# Altium PCB SPG300 Rev05.PcbDoc (part 7 of 8) (continued)
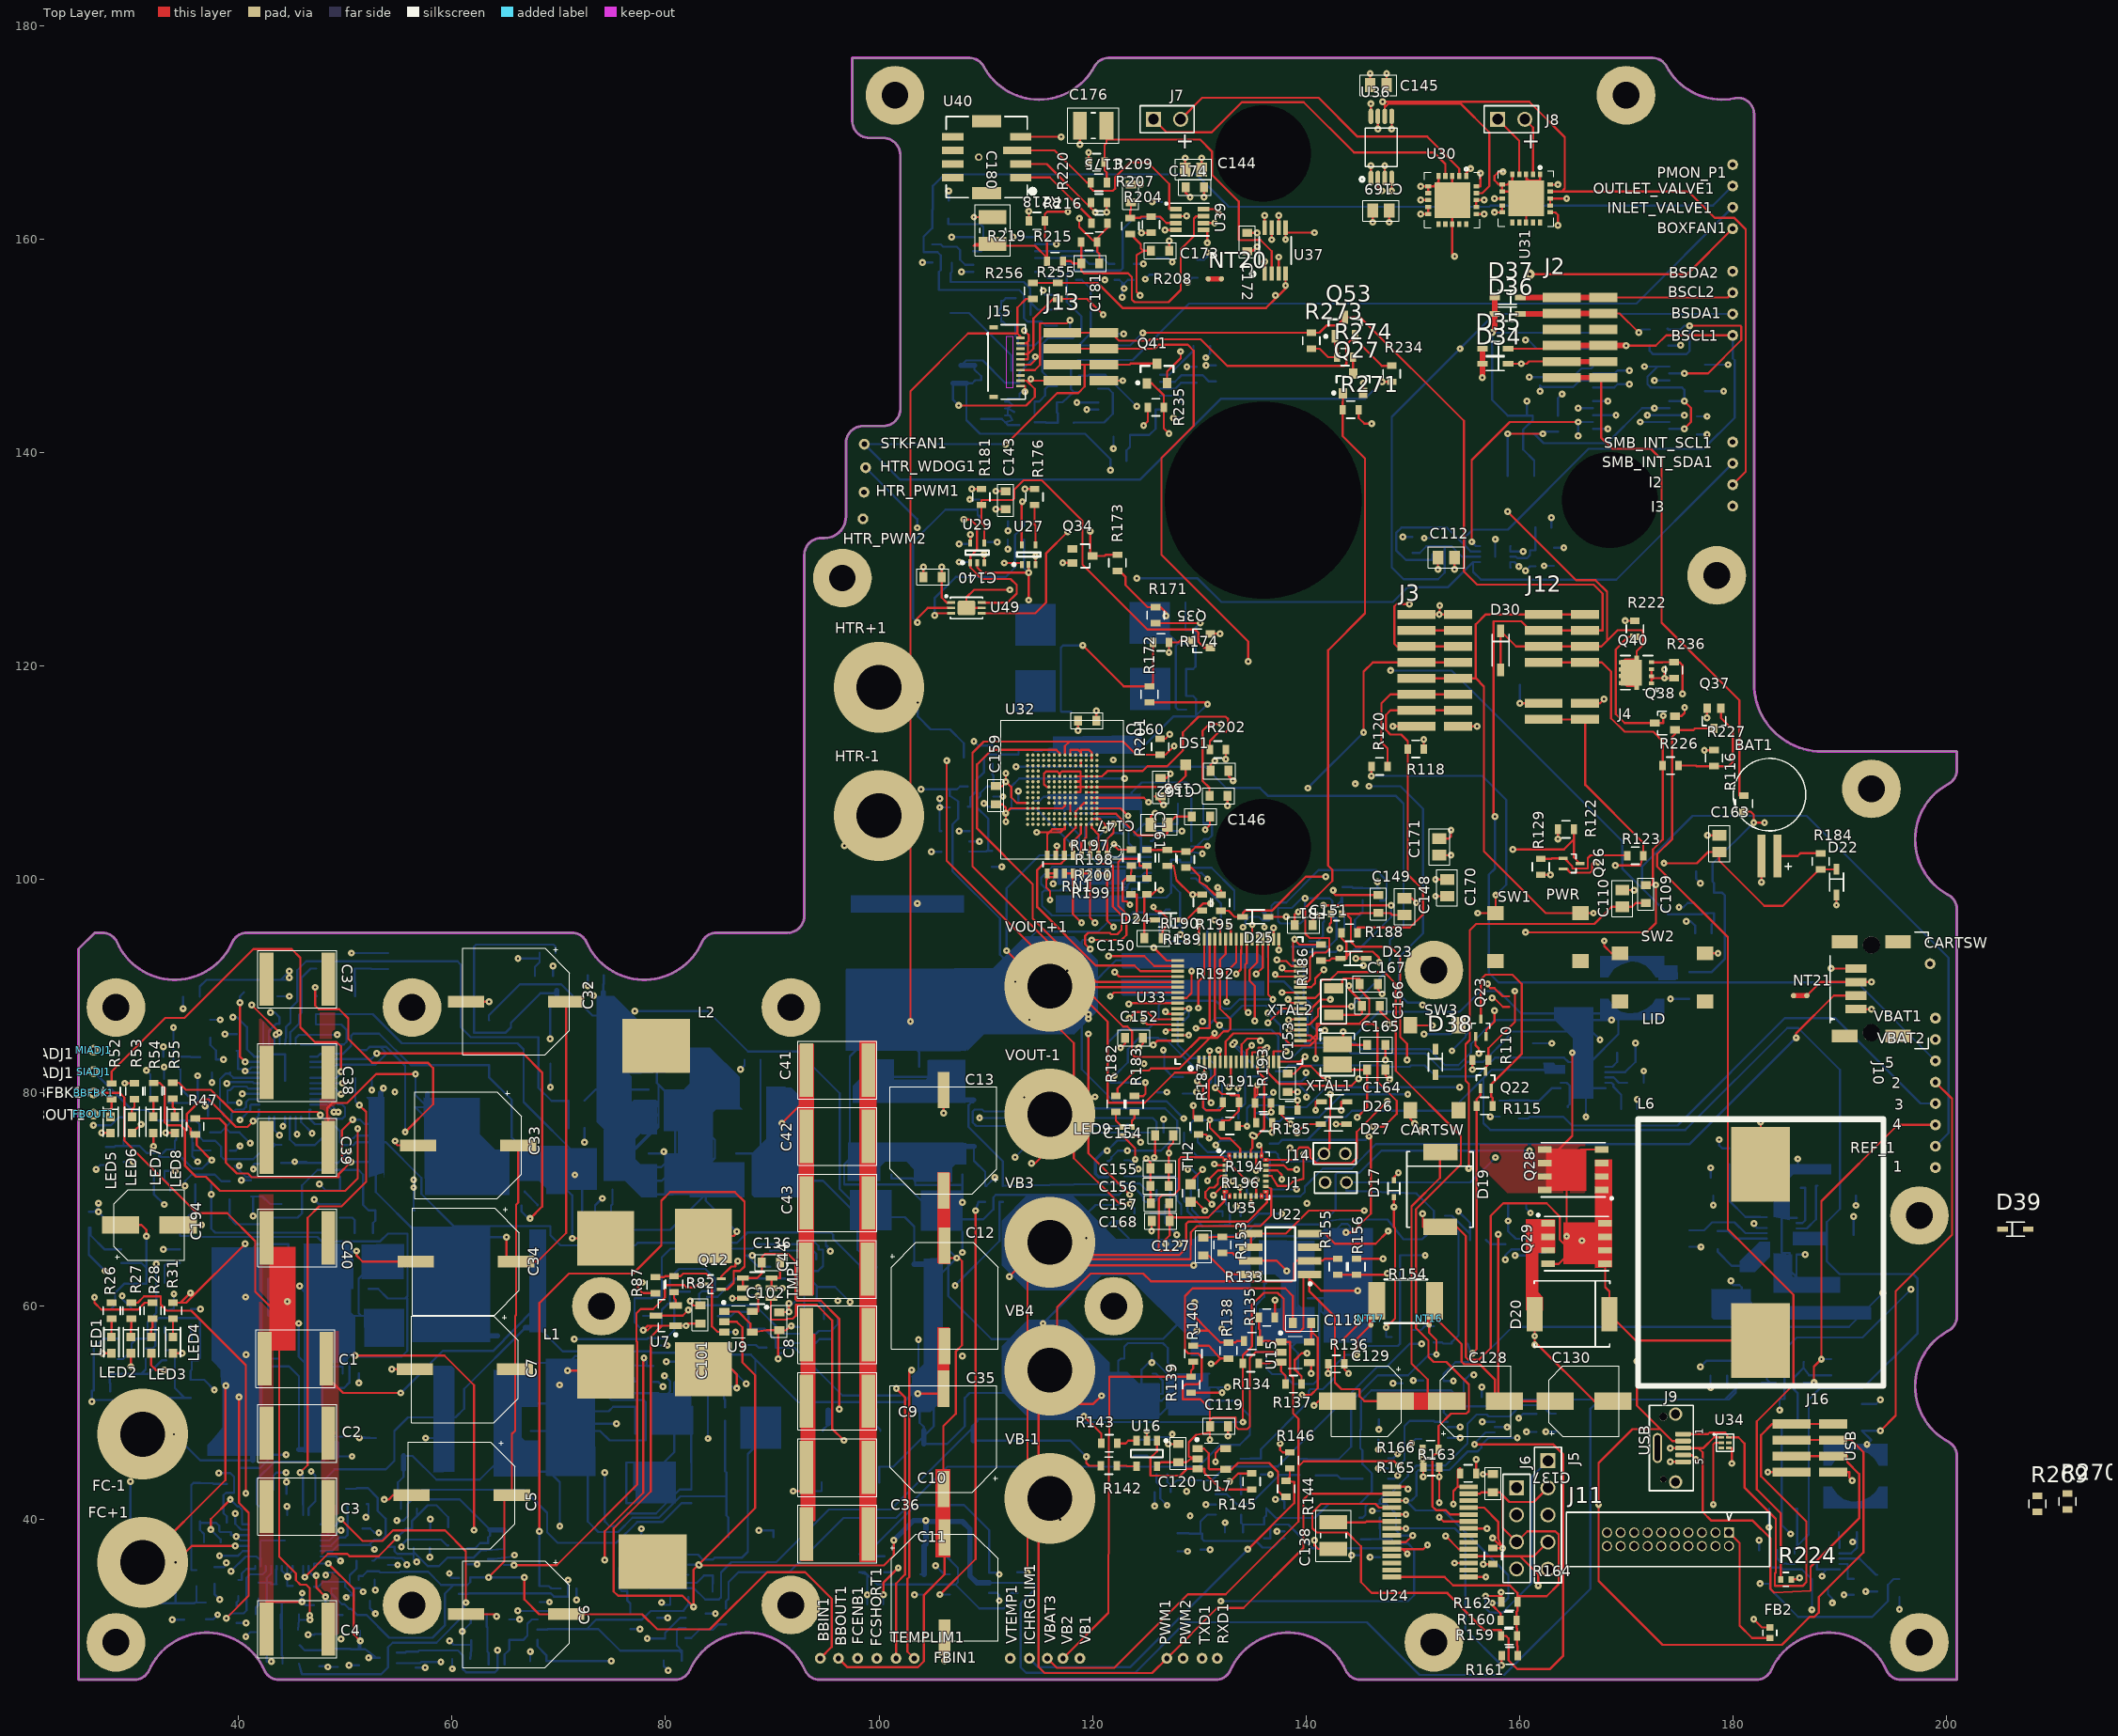
[diagram p0: Top Layer view]
## Nets (pads, with @x,y where several pads share a name; then routed paths per layer and width w, separated by ;. In a path a pad name is that pad's centre, name@x,y a point inside that pad or via, vN(x,y) a via of type N, cw(c..) or ccw(c..) an arc to the next point about the centre after c; other vN are vias at no path point) (continued)
NetR210_1: R210.1 U38.4 | length 7.9
  Bottom Layer w0.203: U38.4@114.625,158.9 120.316,158.9 121.514,157.702 R210.1@122.072,157.702
NetR211_1: R211.1 U38.3 | length 11.8
  Layer 1 w0.203: v1(116.637,159.537) 118.466,157.709 v1(124.765,157.709)
  Bottom Layer w0.203: U38.3@114.625,159.55 116.625,159.55 v1(116.637,159.537) ; R211.1@123.871,157.702 124.758,157.702 v1(124.765,157.709)
NetR212_1: R212.1 U38.5 | length 6
  Bottom Layer w0.203: U38.5@114.625,158.25 117.02,158.25 117.19,158.42 118.974,158.42 119.691,157.702 R212.1@120.249,157.702
NetR216_1: R216.1 U40.1 | length 8.6
  Top Layer w0.203: U40.1@113.281,165.795 116.02,165.795 119.916,161.9 R216.1@119.916,161.501
NetR220_2: R220.2 U39.2 U40.2 | length 20.4
  Top Layer w0.203: U40.2@113.281,167.065 115.736,167.065 119.852,162.949 ; R220.2@119.852,163.444 119.852,162.949 ; v1(120.258,162.542) 119.852,162.949 ; U39.2@127.815,162.174 128.824,162.174 v1(128.829,162.179)
  Layer 2 w0.203: v1(120.258,162.542) 121.902,164.186 126.822,164.186 v1(128.829,162.179)
NetR225_2: R225.2 U41.11 | length 7.5
  Bottom Layer w0.203: R225.2@118.25,142.799 118.25,142.824 121.107,142.824 121.92,143.637 121.92,145.593 121.514,146 U41.11@120.551,146
NetR228_1: R228.1 U41.5 | length 2.6
  Bottom Layer w0.203: U41.5@126.351,145.35 128.074,145.35 128.339,145.085 128.339,144.75 R228.1@128.501,144.75
NetR229_1: R229.1 U41.3 | length 5.7
  Bottom Layer w0.203: U41.3@126.351,146.65 127.737,146.65 128.356,147.269 130.327,147.269 130.923,146.673 R229.1@131.551,146.673
NetR230_1: R230.1 U41.4 | length 3.6
  Bottom Layer w0.203: U41.4@126.351,146 127.762,146 128.312,146.549 R230.1@129.751,146.549
NetR237_1: R237.1 U42.3 | length 39.8
  Top Layer w0.203: v1(105.715,32.975) 109.042,36.302 v1(109.042,68.961)
  Bottom Layer w0.203: v1(105.715,32.975) U42.3@106.626,32.975 ; v1(109.042,68.961) 109.322,69.775 R237.1@109.951,69.775
NetR238_1: R238.1 U42.4 | length 56
  Layer 2 w0.203: v1(103.322,32.969) 94.158,42.133 94.158,61.011 95.098,61.951 v1(107.137,61.951)
  Bottom Layer w0.203: v1(103.322,32.969) 103.327,32.975 U42.4@104.226,32.975 ; v1(107.137,61.951) 111.303,66.116 111.303,69.775 R238.1@111.601,69.775
NetR241_1: R241.1 R247.1 U44.6 | length 11
  Bottom Layer w0.203: U44.6@128.579,76.272 128.579,75.28 129.813,74.046 135.696,74.046 135.992,73.75 R241.1@136.623,73.75 136.623,73.099 136.599,73.076 R247.1@136.599,72.45
NetR242_2: R242.2 R245.1 U44.5 | length 37.8
  Bottom Layer w0.203: R245.1@123.41,77.024 123.266,77.024 123.128,76.886 109.118,76.886 108.788,77.216 108.788,78.257 108.966,78.435 109.677,78.435 109.85,78.263 114.813,78.263 116.18,79.629 117.881,79.629 118.96,78.55 R242.2@126.099,78.55 126.797,78.55 127.939,77.408 U44.5@127.939,76.272
NetR244_1: R244.1 R248.2 R253.2 U44.13 | length 54.3
  Layer 1 w0.203: v1(127.914,66.7) 127.508,66.294 127.508,65.43 127.711,65.227 139.903,65.227 147.422,72.746 147.422,74.346 149.555,76.479 v1(149.555,79.858)
  Bottom Layer w0.203: R244.1@125.429,68.712 126.06,68.712 126.148,68.625 R248.2@126.825,68.625 ; U44.13@127.299,70.873 127.299,69.969 126.825,69.494 R248.2@126.825,68.625 ; v1(127.914,66.7) 126.825,67.79 R248.2@126.825,68.625 ; R253.2@135.4,78.1 135.941,78.1 136.723,77.318 137.526,77.318 137.927,77.719 141.244,77.719 143.383,79.858 v1(149.555,79.858)
NetR248_1: R248.1 R252.1 U44.12 | length 8.5
  Bottom Layer w0.203: R252.1@123,72.173 127.698,72.173 127.939,71.933 U44.12@127.939,70.873 127.939,69.931 128.325,69.545 R248.1@128.325,68.625
NetR260_1: R260.1 U45.3 | length 1.3
  Bottom Layer w0.203: R260.1@33.062,58.07 33.062,57.515 33.199,57.379 U45.3@33.199,56.825
NetR261_1: R261.1 U45.4 | length 1.5
  Bottom Layer w0.203: R261.1@35.52,58.25 35.52,57.559 35.599,57.48 U45.4@35.599,56.825
NetR270_2: R270.2 SW3.1 | length 1.4
  Top Layer w0.203: SW3.1@149.801,78.375 149.801,77.554 v1(150.207,77.148)
NetU39_5: U39.5 U40.4 | length 28
  Top Layer w0.203: U40.4@113.281,169.605 v1(117.069,169.605) ; U39.5@130.435,160.874 130.759,160.874 v1(130.759,159.664)
  Layer 1 w0.203: v1(117.069,169.605) 117.069,161.95 118.003,161.016 119.318,161.016 119.821,161.519 127.781,161.519 129.635,159.664 v1(130.759,159.664)
OUTLET_VALVE+: J15.6 NT22.1 | length 11.5
  Top Layer w0.203: J15.6@113.25,148.25 114.198,148.25 114.656,148.707 v1(114.656,148.996)
  Bottom Layer w0.203: NT22.1@107.7,148.177 108.164,148.641 109.728,148.641 111.811,146.558 113.157,146.558 113.157,147.498 v1(114.656,148.996)
OUTLET_VALVE-: D28.A J15.7 Q36.D1 Q36.D2 Q36.D3 Q36.D4 | length 23.3
  Top Layer w0.203: J15.7@113.25,147.75 114.605,147.75 115.087,148.233 115.087,152.121 117.602,152.121 v1(117.907,152.425)
  Bottom Layer w0.203: Q36.D4@112.292,153.25 112.034,153.25 111.709,152.925 Q36.D2@111.452,152.925 ; Q36.D4@112.802,154.475 111.883,154.475 111.633,154.225 Q36.D4@111.452,154.225 Q36.D3@111.452,153.575 111.176,153.299 111.176,153.201 Q36.D2@111.452,152.925 ; v1(117.907,152.425) 117.907,151.663 117.45,151.206 115.741,151.206 114.594,150.059 D28.A@113.027,150.059 113.027,150.676 112.802,150.901 Q36.D4@112.802,152.025 111.883,152.025 111.633,152.275 Q36.D1@111.452,152.275 Q36.D2@111.452,152.925
PGC: J5.5 U24.5 | length 13.5
  Top Layer w0.203: v1(153.111,38.456) 154.336,37.231 U24.5@155.251,37.231
  Layer 1 w0.203: v1(153.111,38.456) 154.94,36.627 161.417,36.627 J5.5@162.687,35.357
PGD: J5.4 U24.4 | length 17.2
  Top Layer w0.203: U24.4@155.251,36.581 160.066,36.581 ; v1(161.773,33.807) 161.773,34.874 160.066,36.581 ; J5.4@162.687,37.897 161.371,36.581 160.066,36.581
  Layer 1 w0.203: v1(161.773,33.807) 162.56,33.807 163.703,34.95 163.703,36.881 J5.4@162.687,37.897
PWM1: PWM2.1 Q29.G R156.2 U24.15 | length 92.7
  Top Layer w0.203: R156.2@144.75,64.45 v1(147.244,64.45) ; U24.15@148.051,43.081 149.377,43.081 v1(149.581,42.877) ; Q29.G@162.705,63.97 163.69,63.97 v1(165.864,66.143)
  Layer 1 w0.203: PWM2.1@128.5,27 128.5,27.81 129.819,29.13 129.819,37.541 128.524,38.837 128.524,40.691 128.829,40.996 130.023,40.996 130.226,40.792 140.132,40.792 141.199,41.859 148.562,41.859 v1(149.581,42.877) ; v1(147.244,64.45) 147.551,64.143 156.517,64.143 159.329,66.954 163.246,66.954 163.636,67.344 164.662,67.344 v1(165.864,66.143)
  Layer 2 w0.203: v1(147.244,64.45) 149.789,61.905 149.789,54.682 153.137,51.335 153.137,43.688 152.326,42.877 v1(149.581,42.877)
PWM2: PWM1.1 R155.2 U22.2 U24.16 | length 107
  Top Layer w0.203: R155.2@143.001,64.45 141.765,64.45 141.58,64.264 U22.2@140.35,64.264 139.169,64.264 138.913,64.008 138.913,62.586 138.667,62.34 125.493,62.34 124.765,63.068 119.837,63.068 116.688,59.919 116.688,53.67 114.96,51.943 114.96,26.187 115.519,25.629 125.602,25.629 PWM1.1@126.973,27 131.698,31.725 134.163,31.725 139.776,37.338 139.776,41.885 140.322,42.43 U24.16@148.051,42.43
PWR_SW: J1.1 R112.2 R113.2 R120.2 SW1.1 | length 91.5
  Top Layer w0.203: v1(146.15,109.703) R120.2@146.15,110.599 ; v1(156.109,96.851) SW1.1@157.784,96.851 v1(157.784,98.527)
  Layer 2 w0.203: v1(156.109,96.851) 156.109,86.08 157.912,84.277 157.912,74.092 v1(157.759,73.939)
  Bottom Layer w0.203: v1(146.15,109.703) 156.54,109.703 158.775,107.467 158.775,99.518 v1(157.784,98.527) ; R112.2@151.999,56.621 152.756,56.621 152.881,56.496 R113.2@153.675,56.496 153.675,56.642 154.305,57.272 154.305,66.954 153.619,67.64 152.4,67.64 151.994,68.047 151.994,68.936 150.368,70.561 143.801,70.829 J1.1@143.801,71.6 155.42,71.6 v1(157.759,73.939)
REF_3V3: C80.1 C173.1 R204.2 R255.2 R256.2 REF_1.1 U37.4 VR2.2 | length 188.1
  Top Layer w0.203: R256.2@114.423,155.92 116.027,155.92 116.031,155.916 R255.2@116.76,155.916 120.472,155.916 122.82,153.568 136.271,153.568 v1@137.3,154.597 ; R204.2@123.551,160.501 123.571,160.501 124.536,159.536 124.536,159.153 124.765,158.925 ; v1(124.46,154.737) 124.13,155.067 124.13,158.496 124.765,158.925 ; C173.1@125.501,158.925 124.765,158.925 ; v1(137.16,154.737) v1@137.3,154.597 ; U37.4@138.1,156.798 v1(138.1,155.677) 138.1,155.397 v1@137.3,154.597
  Layer 1 w0.203: v1(124.46,154.737) v1(137.16,154.737)
  Layer 2 w0.203: v1(138.1,155.677) 144.3,149.477 144.3,140.31 147.935,136.675 v1(147.935,119.583)
  Bottom Layer w0.203: v1(147.935,119.583) 153.667,119.583 169.647,103.603 169.647,101.041 171.501,99.187 ; 177.216,96.85 VR2.2@178.251,96.85 ; C80.1@178.026,94.975 178.026,95.783 178.251,96.008 VR2.2@178.251,96.85 ; REF_1.1@199,75 200.228,76.228 200.228,92.659 186.919,105.969 176.251,105.969 171.501,101.219 171.501,99.187 ; 171.501,99.187 173.939,96.749 177.114,96.749 177.224,96.758 VR2.2@178.251,96.85
RXD: J6.4 R164.2 RXD1.1 U24.11 | length 43.2
  Top Layer w0.203: U24.11@155.251,41.131 156.701,41.131 158.021,39.81 158.021,38.273 v1(158.445,37.331) ; v1(157.503,38.273) v1(158.445,37.331) ; R164.2@157.531,37.331 v1(158.445,37.331)
  Layer 1 w0.203: RXD1.1@131.7,27 131.7,29.337 139.796,37.434 148.875,37.434 ; 148.875,37.434 149.927,37.434 151.578,39.085 153.741,39.085 154.554,38.273 v1(157.503,38.273)
  Layer 2 w0.203: v1(158.445,37.331) 158.445,36.676 J6.4@159.751,35.371
SCLK: CLK1.1 U2.10 | length 8.2
  Top Layer w0.203: v1(40.107,88.468) 40.107,83.414 v1(40.615,82.906)
  Bottom Layer w0.203: v1(40.107,88.468) 40.107,89.031 CLK1.1@40.501,89.425 ; v1(40.615,82.906) 40.619,82.901 U2.10@41.938,82.901
SDMMC1_CK: U32.M6 U32.N7 U32.P8 U33.53 | length 41.2
  Top Layer w0.203: U32.P8@116.924,111.665 116.924,111.853 116.637,112.141 110.541,112.141 109.195,110.795 109.195,104.775 114.406,99.563 114.406,96.337 120.343,90.4 U33.53@127.977,90.4
SDMMC1_CMD: R201.2 U32.M5 U32.N6 U32.P7 U33.54 | length 56.2
  Top Layer w0.203: U32.P7@117.424,111.665 117.424,112.497 117.856,112.928 ; v1(127.659,112.504) 126.846,111.691 R201.2@126.351,111.691 124.122,111.691 122.885,112.928 117.856,112.928 ; U33.54@127.977,89.9 120.088,89.9 108.763,101.225 108.763,111.862 109.83,112.928 117.856,112.928
SDMMC1_D0: RN1.4 U32.A3 U33.39 | length 10.1
  Top Layer w0.203: RN1.4@118.975,102.276 118.975,103.48 119.424,103.929 U32.A3@119.424,105.165 ; U33.39@134.477,94.4 134.477,92.171 134.32,92.015 134.32,87.812 v1(134.59,87.542)
SDMMC1_D1: RN1.5 U32.A4 U33.40 | length 51.7
  Top Layer w0.203: v1(118.11,103.251) v1@118.175,103.186 ; RN1.5@118.175,102.276 v1@118.175,103.186 ; U32.A4@118.924,105.165 118.924,104.295 118.175,103.546 v1@118.175,103.186 ; v1(133.477,91.135) 133.914,91.572 133.914,92.515 U33.40@133.977,94.4
  Layer 2 w0.203: v1(123.012,109.474) 125.781,109.474 127.965,107.29 127.965,106.243 129.027,105.181 129.027,104.254 128.346,103.573 128.346,97.968 129.337,96.977 129.337,95.275 v1(133.477,91.135)
  Bottom Layer w0.203: v1(118.11,103.251) 114.757,106.604 112.42,106.604 112.42,108.737 113.157,109.474 v1(123.012,109.474)
SDMMC1_D2: RN1.6 U32.A5 U33.51 | length 25.8
  Top Layer w0.203: U32.A5@118.424,105.165 118.424,104.851 117.375,103.802 RN1.6@117.375,102.276 117.375,101.803 117.045,101.473 115.418,101.473 114.833,100.889 114.833,97.409 120.306,91.937 123.947,91.937 124.483,91.4 U33.51@127.977,91.4
SDMMC1_D3: RN1.3 U32.B1 U32.B2 U33.52 | length 30.3
  Top Layer w0.203: RN1.3@119.775,102.276 119.775,103.239 v1(119.939,103.403) ; U32.B2@119.924,105.665 U32.B1@120.424,105.665 120.701,105.665 121.209,105.157 v1(121.209,104.673) ; v1(122.098,91.307) 122.504,90.9 U33.52@127.977,90.9
  Layer 1 w0.203: v1(119.939,103.403) 119.09,104.252 116.856,104.252 116.032,103.429 116.032,102.433 120.904,97.561 120.904,94.005 120.879,93.98 120.879,92.526 v1(122.098,91.307)
  Bottom Layer w0.203: v1(119.939,103.403) v1(121.209,104.673)
SDMMC1_D4: RN1.2 U32.A2 U32.B3 U33.61 | length 30.1
  Top Layer w0.203: v1(119.786,93.472) 119.304,93.955 119.304,94.691 119.609,94.996 121.615,94.996 121.742,94.869 122.326,94.869 122.733,95.275 122.733,96.647 121.92,97.46 121.92,101.27 121.717,101.473 120.904,101.473 120.575,101.802 RN1.2@120.575,102.276 120.575,104.201 119.924,104.851 U32.A2@119.924,105.165 ; v1(124.765,86.792) 125.156,86.4 U33.61@127.977,86.4
  Layer 1 w0.203: v1(119.786,93.472) 119.786,91.567 121.107,90.246 123.215,90.246 124.099,89.362 124.099,87.457 v1(124.765,86.792)
SDMMC1_D5: RN1.1 U32.B4 U32.C3 U32.D1 U32.D2 U33.62 | length 47.6
  Top Layer w0.203: U32.D2@119.924,106.665 U32.D1@120.424,106.665 122.646,106.665 v1(123.342,105.969) ; RN1.1@121.375,102.276 121.375,103.778 121.971,104.374 v1(121.971,105.207) ; v1(126.873,85.75) 127.023,85.9 U33.62@127.977,85.9
  Layer 1 w0.203: v1(123.342,105.969) 117.896,105.969 115.621,103.694 115.621,102.26 117.018,100.863 117.018,86.131 118.618,84.531 120.701,84.531 121.26,85.09 125.044,85.09 125.705,85.75 v1(126.873,85.75)
  Layer 2 w0.203: v1(121.971,105.207) 122.733,105.969 v1(123.342,105.969)
SDMMC1_D6: RN1.7 U32.B5 U32.C5 U32.D4 U32.E3 U32.F1 U32.F2 U33.37 | length 56
  Top Layer w0.203: RN1.7@116.575,102.276 116.662,102.276 v1(116.662,103.149) ; U32.B5@118.424,105.665 U32.C5@118.424,106.165 118.424,106.385 118.705,106.665 U32.D4@118.924,106.665 118.924,106.883 119.206,107.165 U32.E3@119.424,107.165 ; U32.F2@119.924,107.665 U32.F1@120.424,107.665 124.821,107.665 v1(125.247,107.239) ; v1(135.22,86.741) 135.22,90.012 134.727,90.505 134.727,91.516 135.443,92.233 135.443,93.869 U33.37@135.477,94.4
  Layer 1 w0.203: v1(116.662,103.149) 116.662,103.022 117.5,102.184 124.358,102.184 124.358,106.35 v1(125.247,107.239)
  Layer 2 w0.203: v1(125.247,107.239) 125.247,104.369 127.132,102.484 127.132,96.921 127.533,96.52 127.533,94.056 128.422,93.167 130.03,93.167 135.22,87.977 v1(135.22,86.741)
SDMMC1_D7: RN1.8 U32.A7 U32.B6 U33.38 | length 51.7
  Top Layer w0.203: v1(114.783,104.419) 115.951,104.419 ; RN1.8@115.775,102.276 115.775,104.243 115.951,104.419 ; U32.A7@117.424,105.165 117.424,104.851 ; v1(134.976,95.742) 134.977,95.74 U33.38@134.977,94.4 ; 115.951,104.419 116.23,104.699 117.272,104.699 ; 115.951,104.419 116.993,104.419 117.272,104.699 ; 117.272,104.699 117.424,104.851 ; 117.272,104.699 117.424,104.699 117.424,104.851
  Layer 1 w0.203: v1(114.783,104.419) 120.904,110.541 128.545,110.541 131.212,107.874 138.608,107.874 140.818,105.664 140.818,101.073 135.877,96.132 135.366,96.132 v1(134.976,95.742)
SDMMC1_nRST: R202.2 U32.K1 U32.K2 U32.K3 U32.K5 | length 21.7
  Top Layer w0.203: U32.K5@118.424,109.665 U32.K3@119.424,109.665 U32.K2@119.924,109.665 U32.K1@120.424,109.665 120.904,109.665 121.399,110.16 124.689,110.16 125.146,110.617 127,110.617 128.473,112.09 128.473,113.792 129.946,115.265 132.486,115.265 132.715,115.037 132.715,114.046 132.486,113.817 131.838,113.817 131,112.979 R202.2@131,112.175
SEC_MCU_NRST: J10.4 U35.1 | length 93.5
  Top Layer w0.203: v1(128.143,65.862) 127.488,65.208 126.253,65.208 126.214,65.247 126.214,67.264 126.23,67.28 126.23,70.104 126.56,70.434 127.61,70.434 128.118,70.942 128.118,73.772 128.31,73.965 132.209,73.965 U35.1@132.449,73.725 ; v1(189.23,91.655) J10.4@191.55,91.655
  Layer 1 w0.203: v1(128.143,65.862) 138.138,65.862 142.875,70.599 142.875,72.339 143.97,73.435 145.105,73.435 148.764,77.094 148.764,80.061 154.378,85.674 183.249,85.674 v1(189.23,91.655)
SEC_MCU_SWIM: J10.2 U35.28 | length 69.7
  Top Layer w0.203: U35.28@132.849,74.125 132.867,74.125 132.867,73.771 133.004,73.635 133.004,73.219 v1(134.468,71.755) ; v1(185.942,85.166) 185.942,85.573 189.484,89.115 J10.2@191.55,89.115
  Bottom Layer w0.203: v1(134.468,71.755) 134.468,70.714 134.874,70.307 139.491,70.307 139.898,70.714 139.898,71.216 141.593,72.911 144.285,72.911 146.583,75.209 175.985,75.209 v1(185.942,85.166)
SIADJ: C58.1 R58.1 R99.2 SIADJ1.1 U2.38 | length 108.8
  Layer 2 w0.203: SIADJ1.1@26.4,82 25.578,81.178 25.578,46.914 39.483,33.009 41.051,33.009 46.094,27.965 47.493,27.965 49.753,25.705 54.275,25.705 58.085,29.515 v1(60.96,29.515)
  Bottom Layer w0.203: SIADJ1.1@26.4,82 30.016,78.384 31.445,78.384 32.436,77.394 35.966,77.394 36.322,77.038 36.322,75.87 36.684,75.508 37.795,75.508 38.348,74.955 38.348,74.047 38.608,73.787 41.38,73.787 42.443,74.85 R58.1@42.6,74.85 43.155,74.85 43.43,75.125 ; U2.38@42.838,77.751 42.838,75.59 43.43,75.125 ; C58.1@44.007,75.125 43.43,75.125 ; v1(60.96,29.515) 61.75,30.305 R99.2@61.75,31.151
SMB_INT_SCL: R194.2 SMB_INT_SCL1.1 U13.2 U14.10 | length 113.3
  Top Layer w0.203: R194.2@133.626,76.896 134.483,76.896 v1(134.493,76.886) ; v1(155.55,131.648) 155.55,139.319 159.106,142.875 v1(165.506,142.875)
  Layer 1 w0.203: v1(165.506,141.58) 176.327,141.58 177.292,142.545 178.455,142.545 SMB_INT_SCL1.1@180,141
  Layer 2 w0.203: v1(154.407,80.518) 154.407,87.972 155.067,88.633 155.067,131.166 v1(155.55,131.648)
  Bottom Layer w0.203: v1(134.493,76.886) 134.493,78.562 134.758,78.827 137.528,78.827 137.691,78.664 140.056,78.664 141.91,80.518 v1(154.407,80.518) ; v1(155.55,131.648) 155.949,131.249 U14.10@156.339,131.249 ; v1(165.506,141.58) v1(165.506,142.875) ; v1(165.506,142.875) U13.2@166.909,142.874
SMB_INT_SDA: R196.2 SMB_INT_SDA1.1 U13.3 U14.7 | length 159.6
  Top Layer w0.203: v1(136.84,76.302) R196.2@136.84,77.2
  Layer 1 w0.203: v1(169.062,143.524) 170.372,142.215 172.872,142.215 174.828,144.17 179.705,144.17 180.823,143.053 180.823,139.823 SMB_INT_SDA1.1@180,139
  Layer 2 w0.203: v1(124.155,128.219) 124.155,115.214 120.574,111.633 120.574,98.349 121.92,97.003 124.892,97.003 126.39,95.504 126.39,89.475 125.679,88.764 125.679,85.776 126.34,85.115 126.898,85.115 127.483,84.531 127.483,82.448 126.035,81.001 126.035,77.216 126.365,76.886 127.203,76.886 127.61,77.292 127.61,77.922 127.914,78.227 128.829,78.227 129.184,77.871 129.184,77.216 130.023,76.378 132.436,76.378 134.366,74.447 136.144,74.447 136.84,75.144 v1(136.84,76.302)
  Bottom Layer w0.203: v1(124.155,128.219) 129.869,128.219 132.079,126.009 148.158,126.009 149.555,127.406 153.334,127.406 155.677,129.749 ; U14.7@156.339,129.749 155.677,129.749 ; U13.3@166.909,143.524 v1(169.062,143.524) ; SMB_INT_SDA1.1@180,139 169.092,128.092 156.413,128.092 155.677,128.829 155.677,129.749
SNK+: R152.2 U19.3 | length 13.9
  Layer 1 w0.203: v1(136.691,44.247) 136.793,44.145 v1(148.615,44.145)
  Bottom Layer w0.203: R152.2@135.778,44.24 136.684,44.24 v1(136.691,44.247) ; U19.3@147.701,43.845 148.315,43.845 v1(148.615,44.145)
SNK-: R149.2 U19.4 | length 4.5
  Bottom Layer w0.203: R149.2@140.94,44.14 142.951,44.14 143.246,43.845 U19.4@145.301,43.845
SRC+: R150.2 U18.3 | length 9.4
  Bottom Layer w0.203: U18.3@131.548,42.374 132.588,42.374 133.535,41.427 134.772,41.427 137.535,44.19 R150.2@139.399,44.19
SRC-: R151.2 U18.4 | length 1.9
  Bottom Layer w0.203: R151.2@133.863,44.215 133.863,43.316 133.948,43.231 U18.4@133.948,42.374
SSHDN: C50.1 C106.1 Q15.3 R47.1 R50.2 R102.1 R105.2 U2.1 | length 31.2
  Top Layer w0.203: v1(37.465,73.685) 36.068,75.082 36.068,76.1 R47.1@35.924,76.1 35.484,76.1 35.484,76.657 35.154,76.987 35.154,78.029 36.525,79.4 37.16,79.4 39.751,76.81 40.818,76.81 v1(41.351,77.343)
  Bottom Layer w0.203: C106.1@27.565,74.94 28.346,74.94 28.431,75.025 R105.2@29.216,75.025 ; R102.1@29.291,76.2 29.291,75.64 29.216,75.565 R105.2@29.216,75.025 ; R50.2@34.143,76.446 34.143,75.607 34.025,75.489 C50.1@34.025,74.694 33.23,74.694 Q15.3@32.545,74.009 ; v1(37.465,73.685) 37.363,73.685 36.576,72.898 35.687,72.898 34.595,73.99 32.545,73.99 Q15.3@32.545,74.009 ; v1(41.351,77.343) 41.885,77.876 41.885,78.401 U2.1@41.938,78.401 ; R105.2@29.216,75.025 30.707,75.025 31.37,74.362 32.545,74.362 Q15.3@32.545,74.009
SWCLK: J11.4 U33.49 | length 116
  Top Layer w0.203: v1(125.755,93.599) 126.954,92.4 U33.49@127.977,92.4
  Layer 1 w0.203: v1(129.159,40.361) 133.401,40.361 133.934,39.827 150.343,39.827 150.673,39.497 153.01,39.497 153.34,39.827 157.759,39.827 158.267,39.319 164.186,39.319 167.411,36.093 176.963,36.093 J11.4@178.384,37.515
  Layer 2 w0.203: v1(125.755,93.599) 121.107,93.599 120.879,93.37 120.879,77.699 122.428,76.149 122.428,64.948 126.314,61.062 126.314,43.205 v1(129.159,40.361)
SWDIO: J11.2 U33.46 | length 110
  Top Layer w0.203: v1(129.695,86.06) 130.955,86.06 130.977,86.082 U33.46@130.977,94.4
  Layer 2 w0.203: v1(168.656,86.817) 168.656,61.62 177.292,52.984 177.292,44.755 180.442,41.605 180.442,37.718 180.238,37.515 J11.2@179.654,37.515
  Bottom Layer w0.203: v1(129.695,86.06) 130.62,86.06 131.58,87.02 132.893,87.02 134.044,88.172 136.247,88.172 136.276,88.143 137.054,88.143 137.588,87.609 139.017,87.609 139.352,87.274 139.352,85.244 139.938,84.658 144.622,84.658 145.171,84.109 151.544,84.109 153.046,82.606 154.295,82.606 155.48,83.791 155.48,84.588 157.709,86.817 v1(168.656,86.817)
SYS_RSTn: J11.10 U33.7 | length 100.5
  Top Layer w0.203: v1(132.791,80.518) 132.977,80.704 U33.7@132.977,82.9
  Layer 2 w0.203: v1(132.791,80.518) 132.055,79.781 130.861,79.781 130.378,79.299 130.378,77.114 130.658,76.835 132.156,76.835 132.925,77.604 135.241,77.604 135.7,77.145 137.602,77.145 138.176,77.719 138.989,77.719 139.817,76.891 139.817,75.824 139.598,75.606 138.146,75.606 137.876,75.336 137.876,73.96 138.379,73.457 138.379,68.148 136.119,65.888 136.119,54.305 148.336,42.088 148.336,36.576 149.174,35.738 152.54,35.738 155.448,38.646 155.448,40.589 156.235,41.377 160.122,41.377 160.706,40.792 160.706,37.77 161.747,36.728 173.788,36.728 J11.10@174.574,37.515
TXD: J6.2 R163.2 TXD1.1 U24.14 | length 51.3
  Top Layer w0.203: v1(153.822,41.453) 153.822,42.672 154.229,43.081 ; R163.2@154.456,44.33 154.456,44.802 154.408,44.802 154.229,44.623 154.229,43.081 ; U24.14@155.251,43.081 154.229,43.081
  Layer 1 w0.203: v1(153.822,41.453) 154.825,40.451 J6.2@159.751,40.451
  Layer 2 w0.203: TXD1.1@130.274,27 130.274,32.512 131.087,33.325 152.31,33.325 156.2,37.215 156.2,39.869 156.781,40.451 J6.2@159.751,40.451
USB_DM: J9.2 J16.2 U33.44 U34.2 | length 170.6
  Top Layer w0.203: v1(131.42,96.19) 131.977,95.633 U33.44@131.977,94.4 ; v1(171.018,54.839) 171.018,50.69 173.22,48.489 ; J9.2@175.351,47.363 174.346,47.363 173.22,48.489 ; v1(178.181,41.427) 178.181,47.06 178.333,47.213 U34.2@178.912,47.213 ; J16.2@185.524,47.463 J16.2@189.424,47.463 191.12,47.463 192.253,46.33 192.253,36.932 188.062,32.741 188.062,31.293 187.655,30.886 187.223,30.886 184.607,28.27 173.431,28.27 167.437,34.265 v1(167.437,41.427) 167.437,45.314 170.612,48.489 173.22,48.489
  Layer 2 w0.203: v1(131.42,96.19) 132.791,94.818 137.414,94.818 140.386,91.846 140.386,88.946 142.159,87.173 144.678,87.173 145.161,87.655 145.161,90.772 146.032,91.643 146.032,92.659 146.295,92.922 147.23,92.922 147.493,92.659 147.493,91.257 146.197,89.962 146.197,79.66 v1(171.018,54.839) ; v1(167.437,41.427) v1(178.181,41.427)
USB_DP: J9.3 J16.3 U33.45 U34.1 | length 138.1
  Top Layer w0.203: U33.45@131.477,94.4 131.477,86.764 v1(131.906,86.335) ; v1(174.142,46.713) J9.3@175.351,46.713 176.784,46.713 ; U34.1@178.912,47.713 178.256,47.713 177.256,46.713 176.784,46.713 ; J16.3@185.524,45.963 J16.3@189.424,45.963 190.729,45.963 190.729,45.39 191.846,44.272 191.846,40.124 187.306,35.584 187.306,33.325 183.896,33.155 183.538,33.512 183.538,38.254 181.889,39.903 178.003,39.903 177.19,40.716 177.19,46.306 176.784,46.713
  Layer 2 w0.203: v1(167.564,84.988) 167.564,59.817 172.796,54.585 172.796,49.276 174.142,47.93 v1(174.142,46.713)
  Bottom Layer w0.203: v1(131.906,86.335) 132.313,85.928 136.779,85.928 137.419,85.288 137.419,83.566 137.77,83.216 138.644,83.216 139.675,84.247 143.69,84.247 144.235,83.702 151.198,83.702 152.7,82.2 154.464,82.2 155.169,82.906 156.613,82.906 159.055,85.348 159.055,85.75 166.802,85.75 v1(167.564,84.988)
VB1: C114.2 C115.2 D18.C D36.A D37.A Q24.S1 Q24.S2 Q24.S3 R117.2 R130.1 U13.11 U13.14 U13.16 U13.20 VB4.1 | length 199.8
  Top Layer w0.203: VB4.1@116.075,50.85 120.09,50.85 v1(120.853,51.613) ; v1(175.461,144.824) 176.098,144.187 176.098,142.875 v1(175.463,142.24)
  Top Layer w0.5: v1(157.455,151.25) 157.455,151.291 157.7,151.536 D36.A@157.7,153 157.702,153 D37.A@157.702,154.55
  Layer 1 w0.203: v1(125.584,54.725) 134.786,63.927 139.31,63.927 147.908,72.524 147.908,73.576 v1(150.837,76.505)
  Layer 2 w0.203: v1(150.837,76.505) 150.837,77.777 150.444,78.17 150.444,86.133 148.539,88.039 148.539,94.961 148.92,95.343 148.92,126.822 152.85,130.752 152.85,146.646 v1(157.455,151.25) ; v1(160.731,144.831) 164.578,144.831 166.802,147.054 170.709,147.054 v1(171.729,148.074)
  Bottom Layer w0.203: v1(120.853,51.613) 122.596,49.87 Q24.S1@125.629,49.87 126.39,49.87 126.975,50.455 126.975,51.613 ; D18.C@123,52.934 123,52.41 124.831,52.41 ; v1@125.571,55.01 124.612,54.051 124.612,52.629 124.831,52.41 ; R117.2@125.571,55.603 125.571,55.113 126.975,53.709 126.975,51.613 ; Q24.S2@125.629,51.14 126.503,51.14 126.975,51.613 ; Q24.S3@125.629,52.41 124.831,52.41 ; v1(160.731,144.831) 160.731,143.475 ; C114.2@161.4,137.825 161.4,139.268 160.376,140.293 160.376,142.164 161.274,143.062 C115.2@161.274,143.475 160.731,143.475 ; R130.1@168.249,151.25 v1(157.455,151.25) 157.455,144.945 158.925,143.475 160.731,143.475 ; v1(171.729,148.074) 172.966,148.074 ; U13.20@174.059,142.224 175.447,142.224 v1(175.463,142.24) ; U13.16@174.059,144.824 v1(175.461,144.824) ; U13.11@174.059,148.074 172.966,148.074 ; v1@175.461,145.085 175.461,145.9 175.237,146.124 U13.14@174.059,146.124 172.314,146.124 172.009,146.429 172.009,147.117 172.966,148.074
  other v2: 116,54
VB1LIM: D13.2 R139.1 R140.2 U10.1 U10.4 VB2.1 | length 120.3
  Top Layer w0.203: VB2.1@117.239,27 121.488,31.25 121.59,53.4 R139.1@129.251,53.4 129.251,53.975 129.451,54.176 R140.2@129.451,54.8
  Layer 2 w0.203: v1(78.283,28.854) 78.283,35.154 ; v1(87.554,52.738) 87.554,44.425 82.748,39.619 ; VB2.1@117.239,27 116.401,26.162 109.652,26.162 104.292,31.521 99.339,31.521 91.242,39.619 82.748,39.619 ; 78.283,35.154 82.748,39.619 ; 78.283,35.154 78.283,36.068 81.834,39.619 82.748,39.619
  Bottom Layer w0.203: v1(78.283,28.854) 78.293,28.865 U10.4@79.236,28.865 79.959,28.865 79.959,29.388 81.371,30.8 U10.1@81.866,30.8 ; D13.2@84.85,54.16 86.131,54.16 v1(87.554,52.738)
VB2: C108.1 J3.5 J12.1 Q17.D1 Q17.D2 Q17.D3 Q17.D4 Q19.D1 Q19.D2 Q19.D3 Q19.D4 R109.2 R269.1 R270.1 SW1.2 VB3.1 | length 140.5
  Top Layer w0.203: VB3.1@116.075,62.85 117.055,63.83 v1(129.489,63.83) ; J3.5@150.375,118.85 J3.5@154.275,118.85 ; J12.1@166.175,124.85 J12.1@162.275,124.85 156.87,124.85 155.931,123.91 155.931,118.875 ; v1(166.954,96.85) v1(166.954,96.85) SW1.2@165.734,96.851 162.483,96.851 156.693,102.641 156.693,118.088 155.931,118.875 ; J3.5@154.275,118.85 155.931,118.875 ; J3.5@154.275,118.85 155.905,118.85 155.931,118.875
  Layer 2 w0.203: v1(160.96,74.574) 160.96,90.856 v1(166.954,96.85)
  Bottom Layer w0.203: v1(129.489,63.83) 130.333,64.674 Q17.D3@130.93,64.674 ; Q17.D4@130.93,65.944 133.498,65.944 135.22,67.666 141.427,67.666 141.701,67.94 ; C108.1@153.052,66.775 151.404,66.775 150.901,66.272 R109.2@149.301,66.272 149.149,66.272 147.676,68.123 143.144,68.123 141.701,67.94 ; v1(160.96,74.574) 147.091,74.574 145.022,72.505 142.939,72.505 142.799,72.365 142.799,69.037 141.701,67.94
  other v2: 116,66